# KiCad board Eclipse60.kicad_pcb (continued)
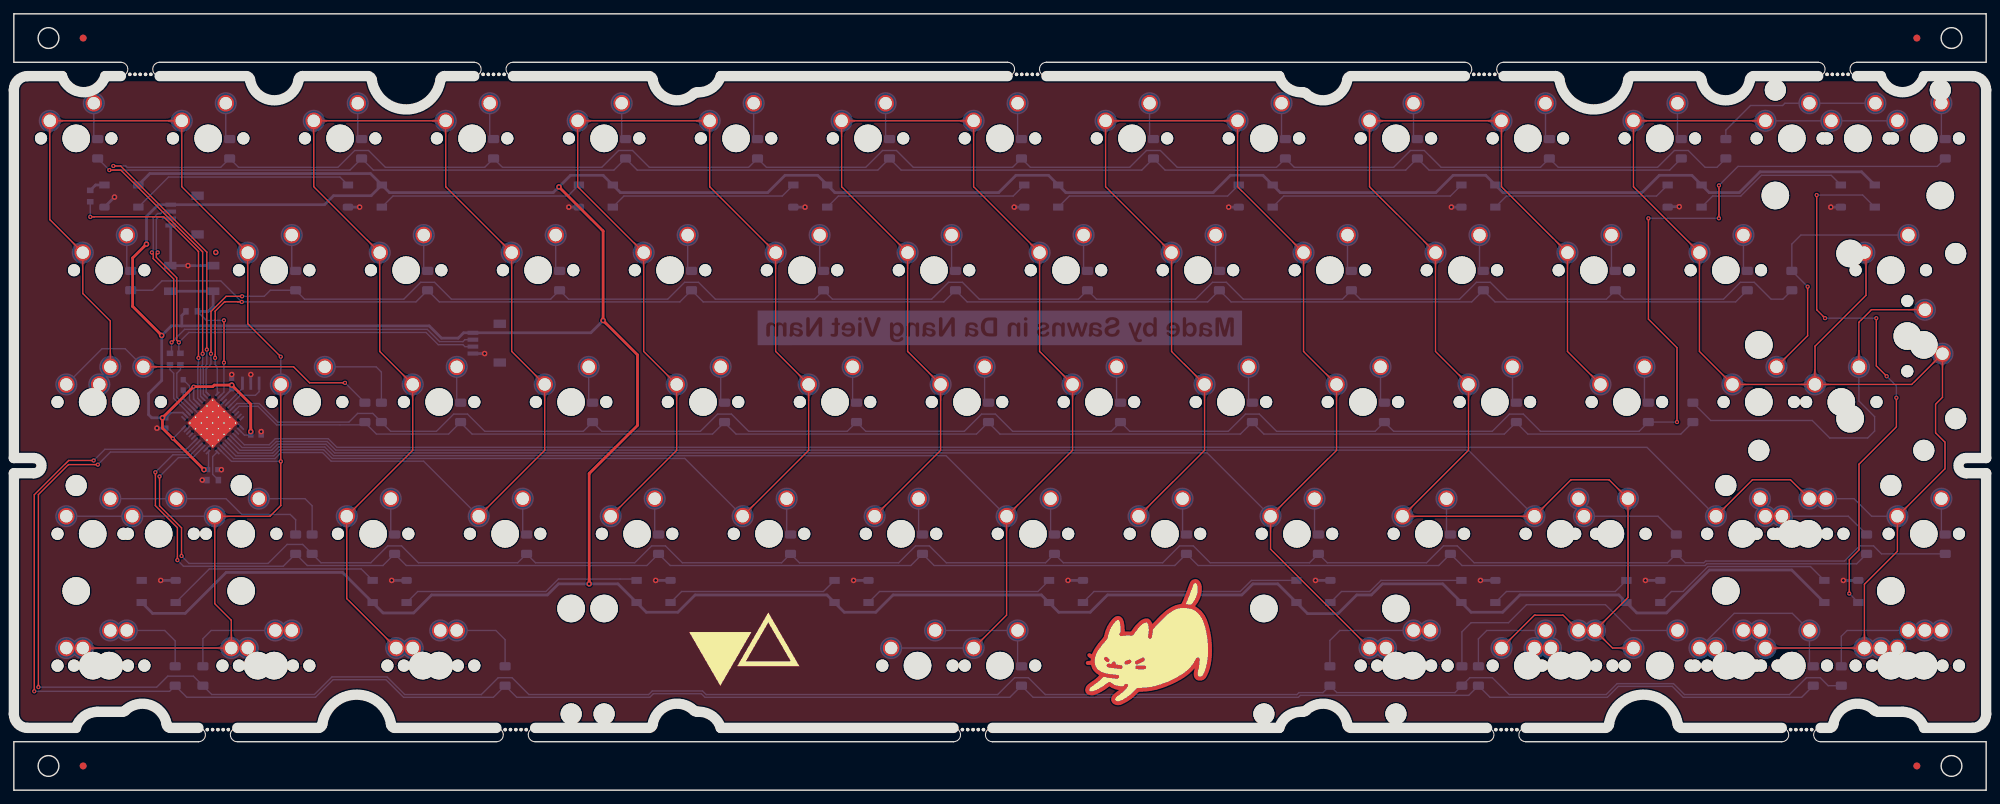
[diagram p0: board, top side]
## Copper pours and planes (outline as drawn; the poured copper is in the pictures) (continued)
C4 on Top: 193.93,22.16 194,22.09 194.06,22.01 194.12,21.95 194.17,21.88 194.21,21.81 194.25,21.75 194.28,21.69 194.31,21.62 194.34,21.56 194.35,21.5 194.37,21.44 194.38,21.38 194.39,21.32 194.4,21.27 194.44,20.7 194.44,20.62 194.45,20.55 194.47,20.48 194.48,20.4 194.5,20.32 194.53,20.23 194.56,20.15 196.11,20.12 196.08,21.67 196,21.7 195.91,21.73 195.83,21.75 195.75,21.76 195.68,21.78 195.61,21.79 195.53,21.79 194.96,21.83 194.91,21.84 194.85,21.85 194.79,21.86 194.73,21.88 194.67,21.89 194.61,21.92 194.54,21.95 194.48,21.98 194.42,22.02 194.35,22.06 194.28,22.11 194.22,22.17 194.14,22.23 194.07,22.3
C4 on Top: 167.22,75.3 167.22,75.4 167.22,75.5 167.23,75.59 167.24,75.67 167.26,75.75 167.28,75.82 167.3,75.89 167.32,75.95 167.35,76.01 167.38,76.06 167.41,76.12 167.44,76.17 167.48,76.22 167.51,76.27 167.89,76.69 167.94,76.75 167.98,76.81 168.02,76.87 168.07,76.94 168.11,77.01 168.15,77.09 168.2,77.17 167.12,78.29 166.04,77.17 166.08,77.09 166.12,77.01 166.16,76.94 166.21,76.87 166.25,76.81 166.29,76.75 166.34,76.69 166.72,76.27 166.75,76.22 166.79,76.17 166.82,76.12 166.85,76.06 166.88,76.01 166.91,75.95 166.93,75.89 166.95,75.82 166.97,75.75 166.99,75.67 167,75.59 167.01,75.5 167.01,75.4 167.02,75.3
C4 on Top: 170.12,60.26 170.19,60.19 170.25,60.11 170.31,60.05 170.36,59.98 170.4,59.91 170.44,59.85 170.47,59.79 170.5,59.72 170.52,59.66 170.54,59.6 170.56,59.54 170.57,59.48 170.58,59.42 170.59,59.37 170.62,58.8 170.63,58.72 170.64,58.65 170.66,58.58 170.67,58.5 170.69,58.42 170.72,58.33 170.74,58.25 172.3,58.22 172.27,59.77 172.18,59.8 172.1,59.83 172.02,59.85 171.94,59.86 171.87,59.88 171.79,59.89 171.72,59.89 171.15,59.93 171.09,59.94 171.03,59.95 170.97,59.96 170.91,59.98 170.85,59.99 170.79,60.02 170.73,60.05 170.67,60.08 170.6,60.12 170.54,60.16 170.47,60.21 170.4,60.27 170.33,60.33 170.26,60.4
C4 on Top: 191.03,56.25 191.03,56.35 191.03,56.45 191.04,56.54 191.06,56.62 191.07,56.7 191.09,56.77 191.11,56.84 191.14,56.9 191.16,56.96 191.19,57.01 191.22,57.07 191.25,57.12 191.29,57.17 191.33,57.22 191.7,57.64 191.75,57.7 191.79,57.76 191.84,57.82 191.88,57.89 191.92,57.96 191.97,58.04 192.01,58.12 190.93,59.24 189.85,58.12 189.89,58.04 189.93,57.96 189.97,57.89 190.02,57.82 190.06,57.76 190.11,57.7 190.15,57.64 190.53,57.22 190.57,57.17 190.6,57.12 190.63,57.07 190.66,57.01 190.69,56.96 190.72,56.9 190.74,56.84 190.76,56.77 190.78,56.7 190.8,56.62 190.81,56.54 190.82,56.45 190.83,56.35 190.83,56.25
C4 on Top: 183.02,41.35 182.95,41.28 182.88,41.22 182.81,41.16 182.74,41.11 182.68,41.07 182.61,41.03 182.55,41 182.49,40.97 182.43,40.94 182.37,40.93 182.31,40.91 182.25,40.9 182.19,40.89 182.13,40.88 181.56,40.84 181.49,40.84 181.41,40.83 181.34,40.81 181.26,40.8 181.18,40.78 181.1,40.75 181.01,40.72 180.98,39.17 182.54,39.2 182.56,39.28 182.59,39.37 182.61,39.45 182.62,39.53 182.64,39.6 182.65,39.67 182.66,39.75 182.69,40.32 182.7,40.37 182.71,40.43 182.72,40.49 182.74,40.55 182.76,40.61 182.78,40.67 182.81,40.74 182.84,40.8 182.88,40.86 182.92,40.93 182.97,41 183.03,41.06 183.09,41.14 183.16,41.21
C4 on Top: 171.98,56.25 171.98,56.35 171.98,56.45 171.99,56.54 172.01,56.62 172.02,56.7 172.04,56.77 172.06,56.84 172.09,56.9 172.11,56.96 172.14,57.01 172.17,57.07 172.2,57.12 172.24,57.17 172.28,57.22 172.65,57.64 172.7,57.7 172.74,57.76 172.79,57.82 172.83,57.89 172.87,57.96 172.92,58.04 172.96,58.12 171.88,59.24 170.8,58.12 170.84,58.04 170.88,57.96 170.92,57.89 170.97,57.82 171.01,57.76 171.06,57.7 171.1,57.64 171.48,57.22 171.52,57.17 171.55,57.12 171.58,57.07 171.61,57.01 171.64,56.96 171.67,56.9 171.69,56.84 171.71,56.77 171.73,56.7 171.75,56.62 171.76,56.54 171.77,56.45 171.78,56.35 171.78,56.25
C4 on Top: 163.97,41.35 163.9,41.28 163.83,41.22 163.76,41.16 163.69,41.11 163.63,41.07 163.56,41.03 163.5,41 163.44,40.97 163.38,40.94 163.32,40.93 163.26,40.91 163.2,40.9 163.14,40.89 163.08,40.88 162.51,40.84 162.44,40.84 162.36,40.83 162.29,40.81 162.21,40.8 162.13,40.78 162.05,40.75 161.96,40.72 161.93,39.17 163.49,39.2 163.51,39.28 163.54,39.37 163.56,39.45 163.57,39.53 163.59,39.6 163.6,39.67 163.61,39.75 163.64,40.32 163.65,40.37 163.66,40.43 163.67,40.49 163.69,40.55 163.71,40.61 163.73,40.67 163.76,40.74 163.79,40.8 163.83,40.86 163.87,40.93 163.92,41 163.98,41.06 164.04,41.14 164.11,41.21
C4 on Top: 157.69,94.35 157.69,94.45 157.7,94.55 157.71,94.64 157.72,94.72 157.73,94.8 157.75,94.87 157.77,94.94 157.8,95 157.82,95.06 157.85,95.11 157.88,95.17 157.92,95.22 157.95,95.27 157.99,95.32 158.37,95.74 158.41,95.8 158.46,95.86 158.5,95.92 158.54,95.99 158.59,96.06 158.63,96.14 158.67,96.22 157.59,97.34 156.51,96.22 156.55,96.14 156.59,96.06 156.64,95.99 156.68,95.92 156.72,95.86 156.77,95.8 156.81,95.74 157.19,95.32 157.23,95.27 157.26,95.22 157.3,95.17 157.33,95.11 157.36,95.06 157.38,95 157.41,94.94 157.43,94.87 157.45,94.8 157.46,94.72 157.47,94.64 157.48,94.55 157.49,94.45 157.49,94.35
C4 on Top: 165.35,79.31 165.43,79.24 165.49,79.16 165.54,79.1 165.59,79.03 165.64,78.96 165.68,78.9 165.71,78.84 165.74,78.77 165.76,78.71 165.78,78.65 165.8,78.59 165.81,78.53 165.82,78.47 165.83,78.42 165.86,77.85 165.87,77.77 165.88,77.7 165.89,77.63 165.91,77.55 165.93,77.47 165.95,77.38 165.98,77.3 167.54,77.27 167.51,78.82 167.42,78.85 167.34,78.88 167.26,78.9 167.18,78.91 167.1,78.93 167.03,78.94 166.96,78.94 166.39,78.98 166.33,78.99 166.27,79 166.21,79.01 166.15,79.03 166.09,79.04 166.03,79.07 165.97,79.1 165.91,79.13 165.84,79.17 165.78,79.21 165.71,79.26 165.64,79.32 165.57,79.38 165.5,79.45
C4 on Top: 176.74,94.35 176.74,94.45 176.75,94.55 176.76,94.64 176.77,94.72 176.78,94.8 176.8,94.87 176.82,94.94 176.85,95 176.87,95.06 176.9,95.11 176.93,95.17 176.97,95.22 177,95.27 177.04,95.32 177.42,95.74 177.46,95.8 177.51,95.86 177.55,95.92 177.59,95.99 177.64,96.06 177.68,96.14 177.72,96.22 176.64,97.34 175.56,96.22 175.6,96.14 175.64,96.06 175.69,95.99 175.73,95.92 175.77,95.86 175.82,95.8 175.86,95.74 176.24,95.32 176.28,95.27 176.31,95.22 176.35,95.17 176.38,95.11 176.41,95.06 176.43,95 176.46,94.94 176.48,94.87 176.5,94.8 176.51,94.72 176.52,94.64 176.53,94.55 176.54,94.45 176.54,94.35
C4 on Top: 184.4,79.31 184.48,79.24 184.54,79.16 184.59,79.1 184.64,79.03 184.69,78.96 184.73,78.9 184.76,78.84 184.79,78.77 184.81,78.71 184.83,78.65 184.85,78.59 184.86,78.53 184.87,78.47 184.88,78.42 184.91,77.85 184.92,77.77 184.93,77.7 184.94,77.63 184.96,77.55 184.98,77.47 185,77.38 185.03,77.3 186.59,77.27 186.56,78.82 186.47,78.85 186.39,78.88 186.31,78.9 186.23,78.91 186.15,78.93 186.08,78.94 186.01,78.94 185.44,78.98 185.38,78.99 185.32,79 185.26,79.01 185.2,79.03 185.14,79.04 185.08,79.07 185.02,79.1 184.96,79.13 184.89,79.17 184.83,79.21 184.76,79.26 184.69,79.32 184.62,79.38 184.55,79.45
C4 on Top: 186.27,75.3 186.27,75.4 186.27,75.5 186.28,75.59 186.29,75.67 186.31,75.75 186.33,75.82 186.35,75.89 186.37,75.95 186.4,76.01 186.43,76.06 186.46,76.12 186.49,76.17 186.53,76.22 186.56,76.27 186.94,76.69 186.99,76.75 187.03,76.81 187.07,76.87 187.12,76.94 187.16,77.01 187.2,77.09 187.25,77.17 186.17,78.29 185.09,77.17 185.13,77.09 185.17,77.01 185.21,76.94 185.26,76.87 185.3,76.81 185.34,76.75 185.39,76.69 185.77,76.27 185.8,76.22 185.84,76.17 185.87,76.12 185.9,76.06 185.93,76.01 185.96,75.95 185.98,75.89 186,75.82 186.02,75.75 186.04,75.67 186.05,75.59 186.06,75.5 186.06,75.4 186.07,75.3
C4 on Top: 189.17,60.26 189.24,60.19 189.3,60.11 189.36,60.05 189.41,59.98 189.45,59.91 189.49,59.85 189.52,59.79 189.55,59.72 189.57,59.66 189.59,59.6 189.61,59.54 189.62,59.48 189.63,59.42 189.64,59.37 189.67,58.8 189.68,58.72 189.69,58.65 189.71,58.58 189.72,58.5 189.74,58.42 189.77,58.33 189.79,58.25 191.35,58.22 191.32,59.77 191.23,59.8 191.15,59.83 191.07,59.85 190.99,59.86 190.92,59.88 190.84,59.89 190.77,59.89 190.2,59.93 190.14,59.94 190.08,59.95 190.02,59.96 189.96,59.98 189.9,59.99 189.84,60.02 189.78,60.05 189.72,60.08 189.65,60.12 189.59,60.16 189.52,60.21 189.45,60.27 189.38,60.33 189.31,60.4
C4 on Top: 159.98,96.84 159.88,96.84 159.78,96.85 159.69,96.86 159.61,96.87 159.53,96.88 159.46,96.9 159.39,96.92 159.33,96.95 159.27,96.97 159.22,97 159.16,97.03 159.11,97.07 159.06,97.1 159.01,97.14 158.59,97.52 158.53,97.56 158.47,97.61 158.41,97.65 158.34,97.69 158.27,97.74 158.19,97.78 158.11,97.82 156.99,96.74 158.11,95.66 158.19,95.7 158.27,95.74 158.34,95.79 158.41,95.83 158.47,95.87 158.53,95.92 158.59,95.96 159.01,96.34 159.06,96.38 159.11,96.41 159.16,96.45 159.22,96.48 159.27,96.51 159.33,96.53 159.39,96.56 159.46,96.58 159.53,96.6 159.61,96.61 159.69,96.62 159.78,96.63 159.88,96.64 159.98,96.64
C4 on Top: 174.25,96.64 174.35,96.64 174.45,96.63 174.54,96.62 174.62,96.61 174.7,96.6 174.77,96.58 174.84,96.56 174.9,96.53 174.96,96.51 175.01,96.48 175.07,96.45 175.12,96.41 175.17,96.38 175.22,96.34 175.64,95.96 175.7,95.92 175.76,95.87 175.82,95.83 175.89,95.79 175.96,95.74 176.04,95.7 176.12,95.66 177.24,96.74 176.12,97.82 176.04,97.78 175.96,97.74 175.89,97.69 175.82,97.65 175.76,97.61 175.7,97.56 175.64,97.52 175.22,97.14 175.17,97.1 175.12,97.07 175.07,97.03 175.01,97 174.96,96.97 174.9,96.95 174.84,96.92 174.77,96.9 174.7,96.88 174.62,96.87 174.54,96.86 174.45,96.85 174.35,96.84 174.25,96.84
C4 on Bottom: 179.64,41.21 179.71,41.14 179.78,41.06 179.83,41 179.88,40.93 179.93,40.86 179.96,40.8 180,40.74 180.02,40.67 180.05,40.61 180.07,40.55 180.08,40.49 180.1,40.43 180.11,40.37 180.11,40.32 180.15,39.75 180.16,39.67 180.17,39.6 180.18,39.53 180.2,39.45 180.22,39.37 180.24,39.28 180.27,39.2 181.83,39.17 181.8,40.72 181.71,40.75 181.63,40.78 181.54,40.8 181.47,40.81 181.39,40.83 181.32,40.84 181.25,40.84 180.68,40.88 180.62,40.89 180.56,40.9 180.5,40.91 180.44,40.93 180.38,40.94 180.32,40.97 180.26,41 180.19,41.03 180.13,41.07 180.06,41.11 180,41.16 179.93,41.22 179.86,41.28 179.78,41.35
C4 on Bottom: 179.08,41.77 179.17,41.68 179.26,41.58 179.33,41.49 179.4,41.4 179.46,41.31 179.51,41.22 179.55,41.14 179.58,41.06 179.61,40.97 179.64,40.89 179.66,40.81 179.68,40.73 179.69,40.65 179.7,40.57 179.7,40.49 179.71,40.41 179.72,39.99 179.73,39.9 179.73,39.8 179.74,39.71 179.76,39.61 179.77,39.51 179.79,39.4 179.82,39.29 179.85,39.18 179.89,39.06 181.97,39.02 181.93,41.1 181.81,41.14 181.7,41.17 181.59,41.2 181.48,41.22 181.38,41.24 181.28,41.25 181.19,41.26 181.1,41.27 181,41.27 180.58,41.28 180.5,41.29 180.42,41.3 180.34,41.3 180.26,41.32 180.18,41.33 180.1,41.35 180.02,41.38 179.94,41.41 179.85,41.44 179.77,41.49 179.68,41.54 179.59,41.6 179.5,41.66 179.41,41.74 179.32,41.82 179.22,41.92
C5 on Top: 231.24,43.75 231.31,43.68 231.37,43.6 231.43,43.54 231.48,43.47 231.52,43.4 231.56,43.34 231.59,43.28 231.62,43.21 231.64,43.15 231.66,43.09 231.68,43.03 231.69,42.97 231.7,42.91 231.71,42.86 231.74,42.29 231.75,42.21 231.76,42.14 231.77,42.07 231.79,41.99 231.81,41.91 231.83,41.82 231.86,41.74 233.42,41.71 233.39,43.26 233.3,43.29 233.22,43.32 233.14,43.34 233.06,43.35 232.98,43.37 232.91,43.38 232.84,43.38 232.27,43.42 232.21,43.43 232.15,43.44 232.09,43.45 232.03,43.47 231.97,43.48 231.91,43.51 231.85,43.54 231.79,43.57 231.72,43.61 231.66,43.65 231.59,43.7 231.52,43.76 231.45,43.82 231.38,43.89
C5 on Top: 221.12,41.35 221.05,41.28 220.98,41.22 220.91,41.16 220.84,41.11 220.78,41.07 220.71,41.03 220.65,41 220.59,40.97 220.53,40.94 220.47,40.93 220.41,40.91 220.35,40.9 220.29,40.89 220.23,40.88 219.66,40.84 219.59,40.84 219.51,40.83 219.44,40.81 219.36,40.8 219.28,40.78 219.2,40.75 219.11,40.72 219.08,39.17 220.64,39.2 220.66,39.28 220.69,39.37 220.71,39.45 220.72,39.53 220.74,39.6 220.75,39.67 220.76,39.75 220.79,40.32 220.8,40.37 220.81,40.43 220.82,40.49 220.84,40.55 220.86,40.61 220.88,40.67 220.91,40.74 220.94,40.8 220.98,40.86 221.02,40.93 221.07,41 221.13,41.06 221.19,41.14 221.26,41.21
C5 on Top: 202.84,39.69 202.74,39.69 202.65,39.7 202.56,39.71 202.47,39.72 202.4,39.73 202.32,39.75 202.26,39.77 202.19,39.8 202.13,39.82 202.08,39.85 202.02,39.88 201.97,39.92 201.92,39.95 201.88,39.99 201.45,40.37 201.39,40.41 201.33,40.46 201.27,40.5 201.2,40.54 201.13,40.59 201.06,40.63 200.98,40.67 199.85,39.59 200.98,38.51 201.06,38.55 201.13,38.59 201.2,38.64 201.27,38.68 201.33,38.72 201.39,38.77 201.45,38.81 201.88,39.19 201.92,39.23 201.97,39.26 202.02,39.3 202.08,39.33 202.13,39.36 202.19,39.38 202.26,39.41 202.32,39.43 202.4,39.45 202.47,39.46 202.56,39.47 202.65,39.48 202.74,39.49 202.84,39.49
C5 on Top: 217.11,39.49 217.21,39.49 217.31,39.48 217.4,39.47 217.48,39.46 217.56,39.45 217.63,39.43 217.7,39.41 217.76,39.38 217.82,39.36 217.88,39.33 217.93,39.3 217.98,39.26 218.03,39.23 218.08,39.19 218.51,38.81 218.56,38.77 218.62,38.72 218.68,38.68 218.75,38.64 218.82,38.59 218.9,38.55 218.98,38.51 220.1,39.59 218.98,40.67 218.9,40.63 218.82,40.59 218.75,40.54 218.68,40.5 218.62,40.46 218.56,40.41 218.51,40.37 218.08,39.99 218.03,39.95 217.98,39.92 217.93,39.88 217.88,39.85 217.82,39.82 217.76,39.8 217.7,39.77 217.63,39.75 217.56,39.73 217.48,39.72 217.4,39.71 217.31,39.7 217.21,39.69 217.11,39.69
C5 on Top: 231.4,20.44 231.5,20.44 231.6,20.43 231.69,20.42 231.77,20.41 231.85,20.4 231.92,20.38 231.99,20.36 232.05,20.33 232.11,20.31 232.16,20.28 232.22,20.25 232.27,20.21 232.32,20.18 232.37,20.14 232.79,19.76 232.85,19.72 232.91,19.67 232.97,19.63 233.04,19.59 233.11,19.54 233.19,19.5 233.27,19.46 234.39,20.54 233.27,21.62 233.19,21.58 233.11,21.54 233.04,21.49 232.97,21.45 232.91,21.41 232.85,21.36 232.79,21.32 232.37,20.94 232.32,20.9 232.27,20.87 232.22,20.83 232.16,20.8 232.11,20.77 232.05,20.75 231.99,20.72 231.92,20.7 231.85,20.68 231.77,20.67 231.69,20.66 231.6,20.65 231.5,20.64 231.4,20.64
C5 on Top: 229.99,21.46 229.92,21.53 229.86,21.61 229.8,21.67 229.75,21.74 229.71,21.81 229.67,21.87 229.64,21.93 229.61,22 229.59,22.06 229.57,22.12 229.55,22.18 229.54,22.24 229.53,22.3 229.52,22.35 229.49,22.92 229.48,23 229.47,23.07 229.46,23.14 229.44,23.22 229.42,23.3 229.4,23.39 229.37,23.47 227.81,23.5 227.84,21.95 227.93,21.92 228.01,21.89 228.09,21.87 228.17,21.86 228.25,21.84 228.32,21.83 228.39,21.83 228.96,21.79 229.02,21.78 229.08,21.77 229.14,21.76 229.2,21.74 229.26,21.73 229.32,21.7 229.38,21.67 229.44,21.64 229.51,21.6 229.57,21.56 229.64,21.51 229.71,21.45 229.78,21.39 229.85,21.32
C5 on Top: 233.1,39.74 233.1,39.84 233.1,39.94 233.11,40.03 233.12,40.11 233.14,40.19 233.16,40.26 233.18,40.33 233.2,40.39 233.23,40.45 233.26,40.5 233.29,40.56 233.32,40.61 233.36,40.66 233.39,40.71 233.77,41.13 233.82,41.19 233.86,41.25 233.91,41.31 233.95,41.38 233.99,41.45 234.03,41.53 234.08,41.61 233,42.73 231.92,41.61 231.96,41.53 232,41.45 232.04,41.38 232.09,41.31 232.13,41.25 232.18,41.19 232.22,41.13 232.6,40.71 232.63,40.66 232.67,40.61 232.7,40.56 232.73,40.5 232.76,40.45 232.79,40.39 232.81,40.33 232.83,40.26 232.85,40.19 232.87,40.11 232.88,40.03 232.89,39.94 232.89,39.84 232.9,39.74
C5 on Top: 229.85,24.84 229.78,24.77 229.71,24.71 229.64,24.65 229.57,24.6 229.51,24.56 229.44,24.52 229.38,24.49 229.32,24.46 229.26,24.43 229.2,24.42 229.14,24.4 229.08,24.39 229.02,24.38 228.96,24.37 228.39,24.33 228.32,24.33 228.25,24.32 228.17,24.3 228.09,24.29 228.01,24.27 227.93,24.24 227.84,24.21 227.81,22.66 229.37,22.69 229.4,22.77 229.42,22.86 229.44,22.94 229.46,23.02 229.47,23.09 229.48,23.16 229.49,23.24 229.52,23.81 229.53,23.86 229.54,23.92 229.55,23.98 229.57,24.04 229.59,24.1 229.61,24.16 229.64,24.23 229.67,24.29 229.71,24.35 229.75,24.42 229.8,24.49 229.86,24.55 229.92,24.63 229.99,24.7
C5 on Top: 224.09,24.7 224.16,24.63 224.23,24.55 224.28,24.49 224.33,24.42 224.38,24.35 224.41,24.29 224.45,24.23 224.47,24.16 224.5,24.1 224.52,24.04 224.53,23.98 224.55,23.92 224.56,23.86 224.56,23.81 224.6,23.24 224.61,23.16 224.62,23.09 224.63,23.02 224.65,22.94 224.67,22.86 224.69,22.77 224.72,22.69 226.28,22.66 226.25,24.21 226.16,24.24 226.08,24.27 225.99,24.29 225.92,24.3 225.84,24.32 225.77,24.33 225.7,24.33 225.13,24.37 225.07,24.38 225.01,24.39 224.95,24.4 224.89,24.42 224.83,24.43 224.77,24.46 224.71,24.49 224.64,24.52 224.58,24.56 224.51,24.6 224.45,24.65 224.38,24.71 224.31,24.77 224.23,24.84
C5 on Top: 216.36,22.3 216.29,22.23 216.21,22.17 216.15,22.11 216.08,22.06 216.01,22.02 215.95,21.98 215.89,21.95 215.82,21.92 215.76,21.89 215.7,21.88 215.64,21.86 215.58,21.85 215.52,21.84 215.47,21.83 214.9,21.79 214.82,21.79 214.75,21.78 214.68,21.76 214.6,21.75 214.52,21.73 214.43,21.7 214.35,21.67 214.32,20.12 215.87,20.15 215.9,20.23 215.93,20.32 215.95,20.4 215.96,20.48 215.98,20.55 215.99,20.62 215.99,20.7 216.03,21.27 216.04,21.32 216.05,21.38 216.06,21.44 216.08,21.5 216.09,21.56 216.12,21.62 216.15,21.69 216.18,21.75 216.22,21.81 216.26,21.88 216.31,21.95 216.37,22.01 216.43,22.09 216.5,22.16
C5 on Top: 195.79,94.35 195.79,94.45 195.8,94.55 195.81,94.64 195.82,94.72 195.83,94.8 195.85,94.87 195.87,94.94 195.9,95 195.92,95.06 195.95,95.11 195.98,95.17 196.02,95.22 196.05,95.27 196.09,95.32 196.47,95.74 196.51,95.8 196.56,95.86 196.6,95.92 196.64,95.99 196.69,96.06 196.73,96.14 196.77,96.22 195.69,97.34 194.61,96.22 194.65,96.14 194.69,96.06 194.74,95.99 194.78,95.92 194.82,95.86 194.87,95.8 194.91,95.74 195.29,95.32 195.33,95.27 195.36,95.22 195.4,95.17 195.43,95.11 195.46,95.06 195.48,95 195.51,94.94 195.53,94.87 195.55,94.8 195.56,94.72 195.57,94.64 195.58,94.55 195.59,94.45 195.59,94.35
C5 on Top: 203.45,79.31 203.53,79.24 203.59,79.16 203.64,79.1 203.69,79.03 203.74,78.96 203.78,78.9 203.81,78.84 203.84,78.77 203.86,78.71 203.88,78.65 203.9,78.59 203.91,78.53 203.92,78.47 203.93,78.42 203.96,77.85 203.97,77.77 203.98,77.7 203.99,77.63 204.01,77.55 204.03,77.47 204.05,77.38 204.08,77.3 205.64,77.27 205.61,78.82 205.52,78.85 205.44,78.88 205.36,78.9 205.28,78.91 205.2,78.93 205.13,78.94 205.06,78.94 204.49,78.98 204.43,78.99 204.37,79 204.31,79.01 204.25,79.03 204.19,79.04 204.13,79.07 204.07,79.1 204.01,79.13 203.94,79.17 203.88,79.21 203.81,79.26 203.74,79.32 203.67,79.38 203.6,79.45
C5 on Top: 205.32,75.3 205.32,75.4 205.32,75.5 205.33,75.59 205.34,75.67 205.36,75.75 205.38,75.82 205.4,75.89 205.42,75.95 205.45,76.01 205.48,76.06 205.51,76.12 205.54,76.17 205.58,76.22 205.61,76.27 205.99,76.69 206.04,76.75 206.08,76.81 206.12,76.87 206.17,76.94 206.21,77.01 206.25,77.09 206.3,77.17 205.22,78.29 204.14,77.17 204.18,77.09 204.22,77.01 204.26,76.94 204.31,76.87 204.35,76.81 204.39,76.75 204.44,76.69 204.82,76.27 204.85,76.22 204.89,76.17 204.92,76.12 204.95,76.06 204.98,76.01 205.01,75.95 205.03,75.89 205.05,75.82 205.07,75.75 205.09,75.67 205.1,75.59 205.11,75.5 205.11,75.4 205.12,75.3
C5 on Top: 208.22,60.26 208.29,60.19 208.35,60.11 208.41,60.05 208.46,59.98 208.5,59.91 208.54,59.85 208.57,59.79 208.6,59.72 208.62,59.66 208.64,59.6 208.66,59.54 208.67,59.48 208.68,59.42 208.69,59.37 208.72,58.8 208.73,58.72 208.74,58.65 208.76,58.58 208.77,58.5 208.79,58.42 208.82,58.33 208.84,58.25 210.4,58.22 210.37,59.77 210.28,59.8 210.2,59.83 210.12,59.85 210.04,59.86 209.97,59.88 209.89,59.89 209.82,59.89 209.25,59.93 209.19,59.94 209.13,59.95 209.07,59.96 209.01,59.98 208.95,59.99 208.89,60.02 208.83,60.05 208.77,60.08 208.7,60.12 208.64,60.16 208.57,60.21 208.5,60.27 208.43,60.33 208.36,60.4
C5 on Top: 210.08,56.25 210.08,56.35 210.08,56.45 210.09,56.54 210.11,56.62 210.12,56.7 210.14,56.77 210.16,56.84 210.19,56.9 210.21,56.96 210.24,57.01 210.27,57.07 210.3,57.12 210.34,57.17 210.38,57.22 210.75,57.64 210.8,57.7 210.84,57.76 210.89,57.82 210.93,57.89 210.97,57.96 211.02,58.04 211.06,58.12 209.98,59.24 208.9,58.12 208.94,58.04 208.98,57.96 209.02,57.89 209.07,57.82 209.11,57.76 209.16,57.7 209.2,57.64 209.58,57.22 209.62,57.17 209.65,57.12 209.68,57.07 209.71,57.01 209.74,56.96 209.77,56.9 209.79,56.84 209.81,56.77 209.83,56.7 209.85,56.62 209.86,56.54 209.87,56.45 209.88,56.35 209.88,56.25
C5 on Top: 202.07,41.35 202,41.28 201.93,41.22 201.86,41.16 201.79,41.11 201.73,41.07 201.66,41.03 201.6,41 201.54,40.97 201.48,40.94 201.42,40.93 201.36,40.91 201.3,40.9 201.24,40.89 201.18,40.88 200.61,40.84 200.54,40.84 200.46,40.83 200.39,40.81 200.31,40.8 200.23,40.78 200.15,40.75 200.06,40.72 200.03,39.17 201.59,39.2 201.61,39.28 201.64,39.37 201.66,39.45 201.67,39.53 201.69,39.6 201.7,39.67 201.71,39.75 201.74,40.32 201.75,40.37 201.76,40.43 201.77,40.49 201.79,40.55 201.81,40.61 201.83,40.67 201.86,40.74 201.89,40.8 201.93,40.86 201.97,40.93 202.02,41 202.08,41.06 202.14,41.14 202.21,41.21
C5 on Top: 214.84,94.35 214.84,94.45 214.85,94.55 214.86,94.64 214.87,94.72 214.88,94.8 214.9,94.87 214.92,94.94 214.95,95 214.97,95.06 215,95.11 215.03,95.17 215.07,95.22 215.1,95.27 215.14,95.32 215.52,95.74 215.56,95.8 215.61,95.86 215.65,95.92 215.69,95.99 215.74,96.06 215.78,96.14 215.82,96.22 214.74,97.34 213.66,96.22 213.7,96.14 213.74,96.06 213.79,95.99 213.83,95.92 213.87,95.86 213.92,95.8 213.96,95.74 214.34,95.32 214.38,95.27 214.41,95.22 214.45,95.17 214.48,95.11 214.51,95.06 214.53,95 214.56,94.94 214.58,94.87 214.6,94.8 214.61,94.72 214.62,94.64 214.63,94.55 214.64,94.45 214.64,94.35
C5 on Top: 222.5,79.31 222.58,79.24 222.64,79.16 222.69,79.1 222.74,79.03 222.79,78.96 222.83,78.9 222.86,78.84 222.89,78.77 222.91,78.71 222.93,78.65 222.95,78.59 222.96,78.53 222.97,78.47 222.98,78.42 223.01,77.85 223.02,77.77 223.03,77.7 223.04,77.63 223.06,77.55 223.08,77.47 223.1,77.38 223.13,77.3 224.69,77.27 224.66,78.82 224.57,78.85 224.49,78.88 224.41,78.9 224.33,78.91 224.25,78.93 224.18,78.94 224.11,78.94 223.54,78.98 223.48,78.99 223.42,79 223.36,79.01 223.3,79.03 223.24,79.04 223.18,79.07 223.12,79.1 223.06,79.13 222.99,79.17 222.93,79.21 222.86,79.26 222.79,79.32 222.72,79.38 222.65,79.45
C5 on Top: 224.37,75.3 224.37,75.4 224.37,75.5 224.38,75.59 224.39,75.67 224.41,75.75 224.43,75.82 224.45,75.89 224.47,75.95 224.5,76.01 224.53,76.06 224.56,76.12 224.59,76.17 224.63,76.22 224.66,76.27 225.04,76.69 225.09,76.75 225.13,76.81 225.17,76.87 225.22,76.94 225.26,77.01 225.3,77.09 225.35,77.17 224.27,78.29 223.19,77.17 223.23,77.09 223.27,77.01 223.31,76.94 223.36,76.87 223.4,76.81 223.44,76.75 223.49,76.69 223.87,76.27 223.9,76.22 223.94,76.17 223.97,76.12 224,76.06 224.03,76.01 224.06,75.95 224.08,75.89 224.1,75.82 224.12,75.75 224.14,75.67 224.15,75.59 224.16,75.5 224.16,75.4 224.17,75.3
C5 on Top: 227.27,60.26 227.34,60.19 227.4,60.11 227.46,60.05 227.51,59.98 227.55,59.91 227.59,59.85 227.62,59.79 227.65,59.72 227.67,59.66 227.69,59.6 227.71,59.54 227.72,59.48 227.73,59.42 227.74,59.37 227.77,58.8 227.78,58.72 227.79,58.65 227.81,58.58 227.82,58.5 227.84,58.42 227.87,58.33 227.89,58.25 229.45,58.22 229.42,59.77 229.33,59.8 229.25,59.83 229.17,59.85 229.09,59.86 229.02,59.88 228.94,59.89 228.87,59.89 228.3,59.93 228.24,59.94 228.18,59.95 228.12,59.96 228.06,59.98 228,59.99 227.94,60.02 227.88,60.05 227.82,60.08 227.75,60.12 227.69,60.16 227.62,60.21 227.55,60.27 227.48,60.33 227.41,60.4
C5 on Top: 198.08,96.84 197.98,96.84 197.88,96.85 197.79,96.86 197.71,96.87 197.63,96.88 197.56,96.9 197.49,96.92 197.43,96.95 197.37,96.97 197.32,97 197.26,97.03 197.21,97.07 197.16,97.1 197.11,97.14 196.69,97.52 196.63,97.56 196.57,97.61 196.51,97.65 196.44,97.69 196.37,97.74 196.29,97.78 196.21,97.82 195.09,96.74 196.21,95.66 196.29,95.7 196.37,95.74 196.44,95.79 196.51,95.83 196.57,95.87 196.63,95.92 196.69,95.96 197.11,96.34 197.16,96.38 197.21,96.41 197.26,96.45 197.32,96.48 197.37,96.51 197.43,96.53 197.49,96.56 197.56,96.58 197.63,96.6 197.71,96.61 197.79,96.62 197.88,96.63 197.98,96.64 198.08,96.64